# Altium PCB Pleiades_PP.PcbDoc (part 5 of 15) (continued)
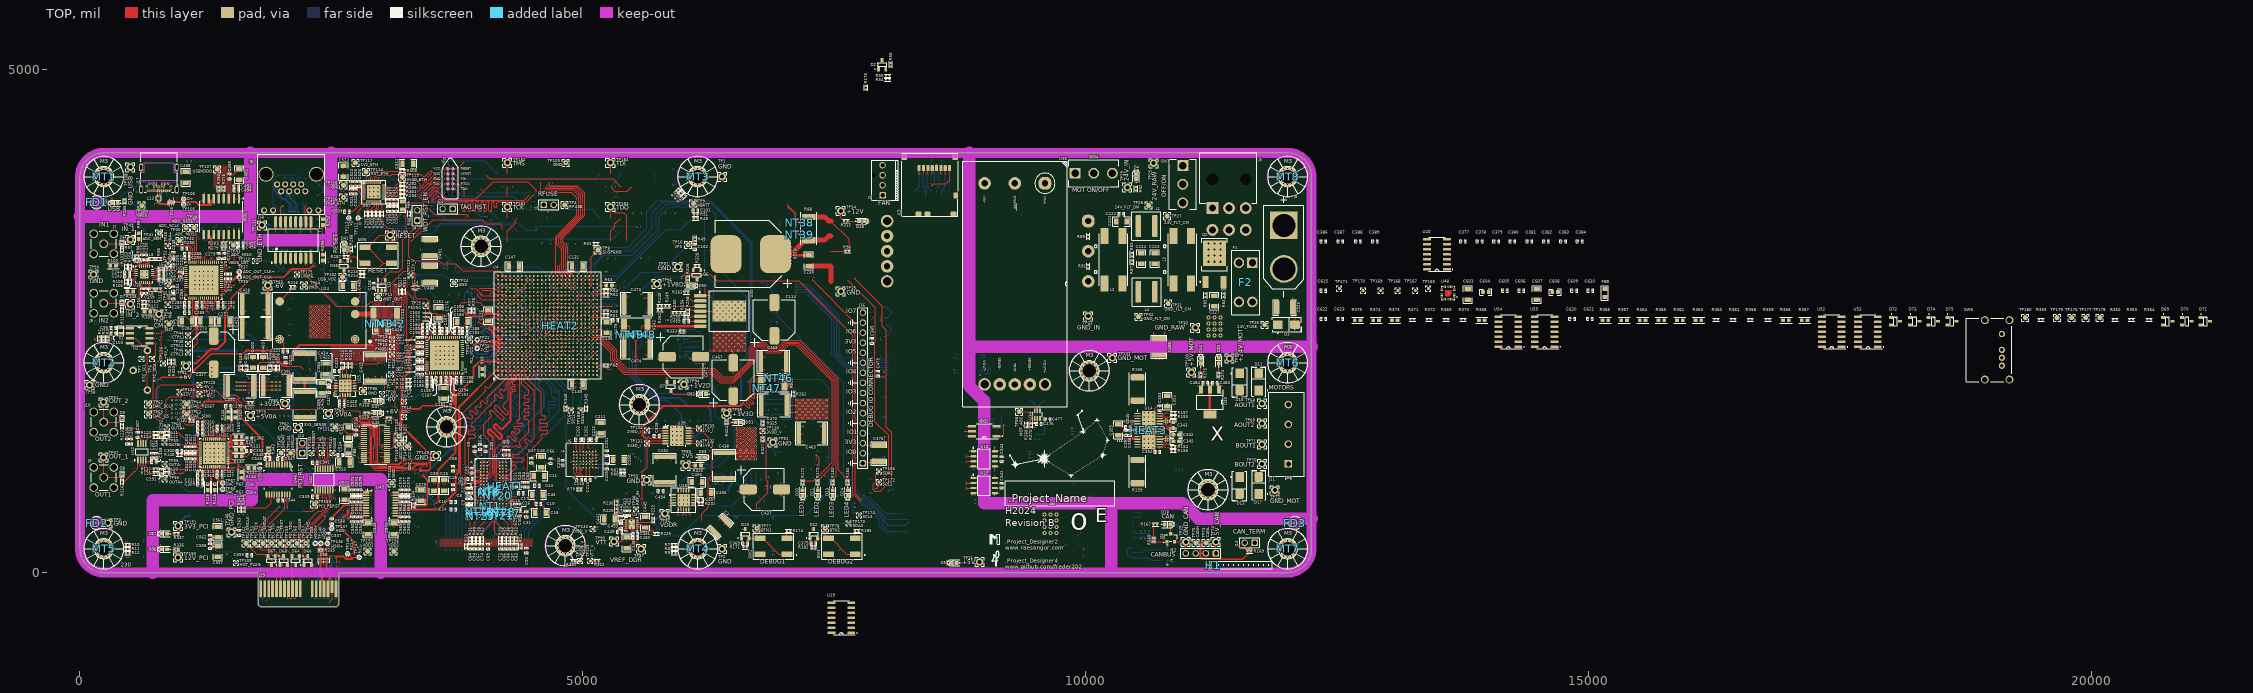
[diagram p0: TOP view]
## Nets (pads, with @x,y where several pads share a name; then routed paths per layer and width w, separated by ;. In a path a pad name is that pad's centre, name@x,y a point inside that pad or via, vN(x,y) a via of type N, cw(c..) or ccw(c..) an arc to the next point about the centre after c; other vN are vias at no path point) (continued)
  other v1: 3565,2492 2795,3715
+3V3D_CURR_25: TP131.1 U40.26 U41.7 | length 4688.5
  TOP w5: v1(5600,660) 5590,670 5590,1000 5639.11,1049.11 5639.11,1282.34 TP131.1@5640.89,1284.11
  TOP w10: v1(3006.54,1214.93) U40.26@3050.63,1214.93 ; TP131.1@5640,1285 5640.89,1284.11 5819.94,1284.11 5820.83,1283.23
  IN1 w5: v1(3250,995) 3286.68,995 3445,836.68 3464.2,817.49 3464.2,220.8 3560,125 5290,125 5418.5,253.5 5418.5,414.14 5418.5,590.57 5467.93,640 5580,640 v1(5600,660)
  IN2 w5: v1(3006.54,1214.93) 3093.46,1128 3117,1128 v1(3250,995)
+3V3D_ETH: C515.1 C516.1 C517.1 C518.1 D43.2 FB6.2 R291.1 R292.1 R308.1 TP115.1 U37.17 | length 705.8
  TOP w10: v1(2845,3525) R291.1@2845,3547.5 ; U37.17@3017.91,3715.94 v1(3033.82,3700.03) 3034.36,3700.03 3041.83,3707.5 C518.1@3065,3707.5 C517.1@3105,3707.5 C516.1@3145,3707.5 ; v1(3145,3730) C516.1@3145,3707.5 ; v1(3170,3928.36) 3170.38,3928.74 3200.85,3928.74 TP115.1@3205,3924.59 ; FB6.2@3205,3690 3200,3690 3182.5,3707.5 C516.1@3145,3707.5 ; TP115.1@3205,3940.82 TP115.1@3205,3930 TP115.1@3205,3924.59 ; R292.1@3222.5,3865 3222.5,3901.68 3205,3919.18 TP115.1@3205,3924.59 ; R308.1@3222.5,3995 v1(3245,3995)
  BOT w10: v1(3033.82,3700.03) 3074.98,3700.03 3092,3717.06 C515.1@3092,3747.02 ; C515.1@3092,3785 C515.1@3092,3747.02 ; v1(3145,3730) 3109.02,3730 C515.1@3092,3747.02 ; v1(3170,3928.36) 3170,3960 D43.2@3190,3980 3205,3995 v1(3245,3995)
+3V3D_SHUNT_19_+: NT47.2 U41.5 | length 1298.6
  IN1 w5: v1(1112.5,1600) 1121.5,1591 1343.42,1591 1457.42,1705 1675.66,1705 1925.48,1954.82 1925.48,1970.56 1972,2017.08 1972,2060.74 1981.5,2070.24 1981.5,2146.24 1991.49,2156.23 v1(1991.49,2159.58)
  BOT w5: 1943.49,2113.95 1956.94,2113.95 1995.33,2152.34 1995.33,2153.85 1991.49,2157.69 v1(1991.49,2159.58)
  BOT w10: U41.5@1090,1600 v1(1112.5,1600)
+3V3D_SHUNT_19_-: NT46.2 U41.6 | length 1389
  IN1 w5: v1(1112.5,1575) 1338.74,1575 1460.2,1696.46 1678.44,1696.46 1933.48,1951.5 1933.48,1967.24 1980,2013.76 1980,2057.42 1989.5,2066.92 1989.5,2124.5 2012.16,2147.16 2029.62,2147.16 v1(2042,2159.54)
  BOT w5: v1(2042,2159.54) 2013.19,2159.54 2005.99,2152.34 2005.99,2128.5 2020.55,2113.95 2063.49,2113.95
  BOT w10: U41.6@1090,1575 v1(1112.5,1575)
+3V3D_VOLT_25: R325.2 R327.2 TP130.1 U40.25 | length 5863.5
  TOP w5: v1(6730,640) 6730,685 6839.5,794.5 6839.5,905.5 6825,920 6825,1307.5 R327.2@6790,1342.5
  TOP w10: v1(2980,1190) 2980.54,1190 2985.78,1195.24 U40.25@3050.63,1195.24 ; R327.2@6790,1342.5 TP130.1@6790,1410 R325.2@6790,1467.5
  IN1 w5: v1(3210,985) 3271.58,923.42 3318.92,923.42 3390,852.34 3390,825 3410,805 3415,800 3422.4,792.6 3422.4,217.6 3525,115 5340,115 5450.04,225.04 5450.04,450.04 5556.64,556.64 6114.33,556.64 6197.69,640 v1(6730,640)
  IN2 w5: v1(2980,1190) 3185,985 v1(3210,985)
+5V: C233.1 C234.1 C363.1 C367.1 R93.1 TP36.1 U8.2 U18.3 U18.4 | length 192.2
  TOP w10: TP36.1@8945,105 TP36.1@8945,135
  TOP w25: TP36.1@8947.65,128.1 8958.24,117.5 TP36.1@8958.7,117.5
  BOT w10: R93.1@8842.5,90 8846.88,94.38 8934.38,94.38 TP36.1@8945,105 ; C363.1@9917.5,289.5 C363.1@9930,277 ; C367.1@9966.5,219 v1(9980.91,233.41)
+5V0A: C240.1 C241.1 C242.1 C243.1 C244.1 C245.1 C246.1 C256.1 C257.1 C258.1 C259.1 C260.1 C261.1 C262.1 C304.1 C305.1 C306.1 C307.1 C390.1 C391.1 C392.1 C393.1 TP79.1 U10.3 U10.4 U10.9 U10.10 U12.8 U22.1 U22.3 U22.20 | length 2283.1
  TOP w10: v1(470,1260) C306.1@470,1282.5 ; C243.1@487.5,2945 v1(510,2945) v1(525,2945) 525.54,2945 534.64,2954.09 558.23,2954.09 U10.4@559.29,2955.16 ; C244.1@487.5,2985 v1(510,2985) v1(525,2985) 525.54,2985 534.64,2975.91 558.23,2975.91 U10.3@559.29,2974.84 ; v1(510,1260) C305.1@510,1282.5 ; v1(552.5,1351.99) C307.1@575,1351.99 575.81,1351.18 575.81,1282.5 U12.8@576.61,1281.69 ; C260.1@620,2817.5 v1(620,2840) v1(620,2855) 620.38,2855.38 620.38,2864.83 630.16,2874.61 U10.9@630.16,2884.29 ; U10.10@649.84,2884.29 649.84,2874.61 659.62,2864.83 659.62,2855.38 v1(660,2855) v1(660,2840) C259.1@660,2817.5 ; C390.1@1468,1855 1468,1780.77 1485.02,1763.75 1553.75,1763.75 v1(1595,1722.5) ; C391.1@2065,1955 v1(2065,1977.5) ; C391.1@2085,1760 v1(2100.91,1744.09)
  BOT w10: v1(417.5,3045) C240.1@440,3045 ; v1(422.5,2880) C256.1@445,2880 ; v1(470,1260) 470.38,1260.38 555.04,1260.38 572,1277.34 C304.1@572,1285 572,1332.49 v1(552.5,1351.99) ; C256.1@470,2878 470.54,2878 487.5,2894.96 C241.1@487.5,2945 ; C240.1@470,3047 470.54,3047 487.5,3030.04 C242.1@487.5,2985 ; U22.3@1595,1745 v1(1595,1722.5) 1595.25,1722.25 1595.25,1597.66 C392.1@1595.49,1597.41 ; U22.1@1646.18,1745 v1(1646.18,1722.5) ; U22.20@1689.49,1803.82 1681.89,1803.82 1680,1801.93 v1(1680,1782) 1680,1756.32 ; v1(1745.18,1685.13) C393.1@1722.68,1685.13 ; C241.1@487.5,2945 C242.1@487.5,2985 ; C241.1@487.5,2945 v1(510,2945) v1(525,2945) C245.1@547.5,2945 C246.1@547.5,2985 v1(525,2985) v1(510,2985) C242.1@487.5,2985 ; C392.1@1595.49,1597.41 1595.49,1679.03 1624.44,1707.98 1631.12,1707.98 1645.64,1722.5 v1(1646.18,1722.5) ; C392.1@1595.49,1597.41 1595.49,1577.02 1612.52,1560 TP79.1@1695,1560 1695,1577.59 1722.68,1605.27 C393.1@1722.68,1685.13 ; v1(1646.18,1722.5) 1680,1756.32 ; 1680,1756.32 1680,1727.81 C393.1@1722.68,1685.13 ; C258.1@620,2817.5 C257.1@660,2817.5 v1(660,2840) v1(660,2855) C261.1@660,2877.5 C262.1@620,2877.5 v1(620,2855) v1(620,2840) C258.1@620,2817.5
+5V0A_EN: R189.2 U4.A21 | length 3405.3
  TOP w5: v1(3895,2820) 3940.51,2820 3981.01,2779.5 3981.01,2767.34 3996.38,2751.97 U4.A21@4157.48,2751.97
  TOP w6: v1(1600,2087.5) 1600,2105 1670,2175 1891.67,2175 2017.51,2049.16 2190.84,2049.16 v1(2215,2025)
  TOP w10: R189.2@1600,2052.6 v1(1600,2087.5)
  IN1 w5: v1(2215,2025) 2485.59,2025 2523.09,2062.5 2892.5,2062.5 v1(2930,2100)
  IN2 w5: v1(2955,2665) 3083.5,2793.5 3553.5,2793.5 3595,2835 3880,2835 v1(3895,2820)
  BOT w5: v1(2930,2100) 2916.74,2113.26 2916.74,2626.74 v1(2955,2665)
+5V_CAN: C358.1 C359.1 C360.1 FB3.2 J12.1 R167.1 R168.1 TP74.1 U18.16 | length 597
  TOP w10: R168.1@10675,342.19 v1(10697.5,342.19)
  TOP w12: R168.1@10675,342.19 R167.1@10675,477.69 ; J12.1@11295,190 TP74.1@11295,305
  BOT w10: v1(10550,335) C360.1@10550,357.5 ; v1(10590,335) C359.1@10590,357.5 ; v1(10630,335) C358.1@10630,357.5
  BOT w12: U18.16@10468.06,350 10542.5,350 C360.1@10550,357.5 C358.1@10630,357.5 ; v5(10808.54,270) FB3.2@10808.54,225 v5(10855,225)
+5V_MOT: C339.1 C341.1 C344.1 C346.1 C355.1 C356.1 C357.1 C477.1 C478.1 C484.1 C485.1 R152.1 R153.1 R154.1 R160.2 R161.2 R162.1 R266.1 R267.1 R275.1 TP100.1 U13.8 U14.10 U15.8 U16.8 U17.8 U32.10 U32.16 U33.6 U35.3 | length 1287.1
  TOP w10: U15.8@9096.3,940 v1(9138.8,940) ; U16.8@9096.3,1205 v1(9096.3,1247.5) ; C341.1@9165,882.81 v1(9187.5,882.81) ; C344.1@9165,1147.81 v1(9187.5,1147.81) ; v1(9640,1502.5) C477.1@9640,1525 ; C355.1@10325,1367 10330.5,1372.5 v1(10377.5,1372.5) C357.1@10400,1372.5 C356.1@10440,1372.5 10461.48,1351.02 U14.10@10514.76,1351.02 ; R154.1@10887.5,1250 v1(10910,1250) ; R153.1@10890,1550 v1(10912.5,1550) ; TP100.1@11050,1990 11092.5,1947.5 R275.1@11145,1947.5 v1(11145,1925) ; v1(11112.5,1785) U35.3@11135,1785 ; v1(11112.5,1855) U35.3@11135,1855 ; C484.1@11172.5,1885 v1(11172.5,1907.5)
  BOT w10: U32.16@8946.3,1987.5 U32.16@8948.8,1985 ; U32.10@8946.3,2137.5 v1(8988.8,2137.5) ; v1(8948.8,1962.5) U32.16@8948.8,1985 ; v1(9014.68,1960) C478.1@9014.68,1982.5 ; R266.1@9055,1982.5 C478.1@9014.68,1982.5 ; R162.1@9085.63,1435 R160.2@9125,1435 R161.2@9164.37,1435 ; v1(9096.3,767.81) U13.8@9096.3,790.31 9111.31,790.31 9117.61,796.61 9117.61,800.42 C339.1@9165,847.81 v1(9165,825.31) ; U17.8@9096.3,1055 v1(9138.8,1055) ; v1(9165,1090.31) C346.1@9165,1112.81 ; v1(9540,1315) R267.1@9540,1337.5 ; v1(9640,1502.5) 9662.5,1525 U33.6@9717.5,1525 ; v1(10377.5,1372.5) 10407.5,1342.5 R152.1@10460,1342.5 ; U32.16@8948.8,1985 9012.18,1985 C478.1@9014.68,1982.5
  other v1: 11118.75,1947.5
+5V_USB_IN: C492.1 C493.1 C494.1 C498.1 D35.1 D37.1 D38.3 D39.3 ISO2.1 J17.A4 J17.A9 J17.B4 J17.B9 R284.1 R286.1 TP104.1 | length 662
  TOP w10: R286.1@445,3707.5 v1(445,3730) ; J17.A9@735.52,3796 735.52,3802.89 737.49,3804.86 J17.B4@737.49,3839.7 ; J17.B9@831.98,3839.7 831.98,3804.86 833.94,3802.89 J17.A4@833.94,3796 ; v1(890.32,3635.93) D35.1@890.32,3658.43 ; v1(1025,3830) 1025.38,3830.38 1025.38,3870.27 C498.1@1038.11,3883 ; C498.1@1050,3877 1062.73,3889.73 1102.62,3889.73 v1(1103,3890.11) ; v1(1532.15,3905) C492.1@1555,3905 ; C492.1@1585,3905 1585,3852.5 C493.1@1572.5,3840 ; v1(1595,3800) C494.1@1572.5,3800 ; v1(1595,3840) C493.1@1572.5,3840 ; v1(1602.5,3716.5) ISO2.1@1580,3716.5 1580,3792.5 C494.1@1572.5,3800 ; C494.1@1572.5,3800 C493.1@1572.5,3840
  BOT w10: D39.3@486,3700 v1(486,3722.5) ; D38.3@958.68,3700 965.83,3707.15 v1(965.83,3730) ; v1(1025,3830) D37.1@1047.85,3830 ; D37.1@1103,3867.26 v1(1103,3890.11) ; R284.1@1200,3670 v1(1200,3692.85)
  other v1: 615,3665
+6V: C399.1 C402.1 C407.1 C408.1 C409.1 C410.1 C411.1 NT41.1 R186.1 R188.1 R319.1 R320.1 TP81.1 U22.15 U22.16 U23.15 U23.16 | length 2821.4
  TOP w10: R320.1@930,2112.5 v1(930,2135) ; v1(2810,1585) R319.1@2832.5,1585
  POW2 w10: v1(1865,1982.5) 1865,2014.14 1871.86,2021 2080.37,2021 2080.78,2021.41 2197.18,2021.41 v1@2250.08,1968.51 ; v1(2250.08,1968.32) v1@2250.08,1968.51 ; v1(2810,1585) 2746.44,1648.56 2746.44,1771.4 2677.84,1840 2520,1840 2510,1850 2455.2,1850 2445.2,1860 2358.6,1860 v1@2250.08,1968.51
  BOT w5: R186.1@1887.49,2207.41 1938.28,2207.41 1943.49,2202.2 NT41.1@1943.49,2122.95
  BOT w10: C407.1@1160,2151.04 v1(1182.5,2151.04) ; C407.1@1160,2237.3 v1(1182.5,2237.3) ; C408.1@1602,2160 v1(1624.5,2160) ; C408.1@1602,2209.81 v1(1624.5,2209.81) ; C408.1@1602,2255 v1(1624.5,2255) ; U22.15@1646.18,1949.49 v1(1668.68,1949.49) ; U22.16@1680,1910 v1(1680,1932.5) 1680,1933.04 1669.06,1943.98 1669.06,1949.11 v1(1668.68,1949.49) ; C399.1@1697.5,2010 v1(1697.5,1987.5) 1669.06,1959.06 1669.06,1949.87 v1(1668.68,1949.49) ; v1(1842.5,2190) R186.1@1865,2190 ; v1(1842.5,2235) R186.1@1865,2235 ; U23.15@1853.49,1907.41 v1(1869.4,1923.32) 1869.4,1923.86 1865,1928.26 1865,1955.38 ; C402.1@1860.49,2032.41 1860.99,2032.91 C411.1@1860.99,2102.41 ; C402.1@1865,2005 v1(1865,1982.5) 1865,1955.38 ; C409.1@1881.96,2736.69 v1(1904.46,2736.69) ; v1(1882.5,2130) R186.1@1882.5,2152.5 ; C410.1@1882.5,2467.41 v1(1905,2467.41) ; C409.1@1882.5,2617.41 v1(1905,2617.41) ; C410.1@1884.02,2360 v1(1906.52,2360) ; U23.16@1896.8,1950.72 v1(1874.3,1950.72) 1873.76,1950.72 1869.09,1955.38 1865,1955.38 ; v1(1906.41,2130) R186.1@1906.41,2152.5 ; v1(2250.08,1968.32) R188.1@2265.99,1952.41
  BOT w12: TP81.1@1054.51,2052.5 1099.88,2097.87 1099.88,2188.8 C407.1@1118.49,2207.41 ; C411.1@1860.99,2102.41 1881.96,2123.38 1881.96,2201.88 R186.1@1887.49,2207.41
  BOT w25: C407.1@1118.49,2207.41 C408.1@1563.49,2207.41
+6V0_CURR_25: TP127.1 U39.7 U40.16 | length 2468.1
  TOP w10: v1(1112.5,1550) 1095.5,1567 1095.5,1712.04 1158.46,1775 TP127.1@1190,1775 ; v1(2778.19,1155.87) U40.16@2822.28,1155.87
  BOT w10: 1090,1550 v1(1112.5,1550) 1113.04,1550 1120.04,1543 1218,1543 1239,1564 1239,1699 1270,1730 1355,1730 1510.63,1574.37 1510.63,1504.37 1545,1470 1780,1470 2015,1235 2290,1235 2299.5,1244.5 2508.28,1244.5 2577.28,1175.5 2673.36,1175.5 2692.99,1155.87 v1(2778.19,1155.87)
+6V0_VOLT_25: R320.2 R323.1 TP126.1 U40.15 | length 3254.2
  TOP w5: R320.2@928.75,2078.75 R320.2@930,2077.5 v1(930,2055)
  TOP w10: TP126.1@830,2080 831.25,2078.75 R320.2@928.75,2078.75 ; v1(2778.19,1175.56) U40.15@2822.28,1175.56
  IN2 w5: v1(930,2055) 880,2005 880,1090 945,1025 1163,1025 1196.5,991.5 1638.94,991.5 1653.94,1006.5 2731.5,1006.5 2795,1070 2795,1158.75 v1(2778.19,1175.56)
+6V_EN: R187.2 R197.1 U4.C21 | length 2622.6
  TOP w5: v1(3985,2805) 4080,2805 4118.67,2766.33 4221.86,2766.33 U4.C21@4236.22,2751.97
  IN1 w5: v1(2403.49,1922.41) 2535.08,2054 2984,2054 v1(3005,2075)
  IN2 w5: v1(3035,2665) 3140,2770 3245,2770 3255,2760 3881.2,2760 3926.2,2805 v1(3985,2805)
  BOT w5: v1(3005,2075) 3005,2092.43 3013.63,2101.06 3013.63,2273.63 3035,2295 v1(3035,2665)
  BOT w10: v1(2403.49,1922.41) R197.1@2425.99,1922.41 2424.74,1923.66 2424.74,1963.66 R187.2@2423.49,1964.91
+6V_SHUNT_19_+: NT41.2 U39.5 | length 2018.8
  TOP w5: U39.5@5820.83,1334.41 5668.09,1334.41 cw(c5668.09,1341.78) 5660.72,1341.78 ccw(c5653.34,1341.78) 5645.97,1341.78 cw(c5638.59,1341.78) 5638.59,1334.41 5628.59,1334.41 5598,1365 5598,1375 cw(c5600,1375) 5600,1377 ccw(c5600,1379) 5600,1381 cw(c5600,1383) 5598,1383 5598,1448.76 5803.17,1653.93 5813.17,1653.93 cw(c5813.17,1653.43) 5813.67,1653.43 ccw(c5814.17,1653.43) 5814.67,1653.43 cw(c5815.17,1653.43) 5815.17,1653.93 6571.93,1653.93 6591.37,1673.37 cw(c6600.21,1664.54) 6609.05,1673.37 6640.22,1642.2 ccw(c6649.06,1651.04) 6657.9,1642.2 ccw(c6649.06,1651.04) 6657.9,1659.88 6625.89,1691.9 cw(c6634.73,1700.73) 6625.89,1709.57 cw(c6634.73,1700.73) 6643.56,1709.57 6675.58,1677.56 ccw(c6684.42,1686.4) 6693.26,1677.56 ccw(c6684.42,1686.4) 6693.26,1695.24 6661.24,1727.25 cw(c6670.08,1736.09) 6661.24,1744.93 cw(c6670.08,1736.09) 6678.92,1744.93 6687.94,1735.91 ccw(c6696.78,1744.75) 6705.62,1735.91 ccw(c6696.78,1744.75) 6705.62,1753.59 6702.54,1756.66 cw(c6711.38,1765.5) 6711.38,1778 6720.4,1778 6730.4,1778 ccw(c6730.4,1778.12) 6730.52,1778.12 cw(c6730.65,1778.12) 6730.77,1778.12 ccw(c6730.9,1778.12) 6730.9,1778 6798,1778 6830,1810 6830,1826
+6V_SHUNT_19_-: NT40.2 U39.6 | length 2019.2
  TOP w5: U39.6@5820.83,1308.82 5770,1308.82 5642.87,1308.82 5590,1361.69 5590,1452.07 5799.86,1661.93 6566.93,1661.93 6665,1760 6665,1915 6715,1965 6825,1965 6856,1934 6950,1934
+12V: C105.1 C228.1 C229.1 C230.1 C231.1 C232.1 C405.1 C406.1 C414.1 C415.1 C416.1 C434.1 C435.1 C465.1 C466.1 J2.2 NT39.1 NT42.1 R88.2 R213.1 R244.1 R315.1 R316.1 R326.1 R331.1 TP34.1 U7.7 U8.1 U21.1 U26.1 U29.1 | length 5508.1
  TOP w5: NT42.1@3095,2480.54 3095,2559.79 3100.21,2565 R213.1@3151,2565 ; NT39.1@7160.54,3360 7239.79,3360 7245,3354.79 R88.2@7245,3304
  TOP w10: v1(2854.5,2122.5) C415.1@2854.5,2145 ; v1(2936.46,2122.5) C415.1@2936.46,2145 ; v1(3225,2752.5) R316.1@3225,2775 ; R326.1@6045,2942.5 v1(6045,2965) ; C228.1@7060,3072.5 v1(7082.5,3072.5) ; C228.1@7060,3105 v1(7082.5,3105) ; C228.1@7060,3140 v1(7082.5,3140) ; C228.1@7060,3175 v1(7082.5,3175) ; C228.1@7060,3210 v1(7082.5,3210) ; C228.1@7060,3240 v1(7082.5,3240) ; C465.1@7165,1305 v1(7187.5,1305) ; C465.1@7165,1375 v1(7187.5,1375) ; C465.1@7165,1455 v1(7187.5,1455) ; TP34.1@7565,3595 7565,3527.5 R315.1@7597.5,3495
  TOP w25: C228.1@6915,3165 6927,3153 C230.1@7245,3153
  TOP w50: C228.1@6915,3165 6934,3184 7088,3184 7141.05,3237.05 7202,3298 7239,3298 R88.2@7245,3304 7403.71,3304 7444.71,3345 7465,3345
  POW2 w10: v1(5715.45,1816.43) 6483.57,1816.43 v1(6865,1435) ; v1(6774,920.14) 6813.83,920.14 v1(6842.5,948.81)
  POW2 w25: v1(6045,2965) 7028.03,2965 7129.53,3066.5 7186.5,3066.5 7465,3345
  BOT w10: U21.1@2533.49,2160 v1(2533.49,2137.5) ; v1(2650,2180.81) C405.1@2650,2203.31 ; v1(2723.76,2180.81) C405.1@2723.76,2203.31 ; v1(2787.5,2180.5) C405.1@2787.5,2203 ; C414.1@3051.79,2122.5 C414.1@3090,2160.71 3060.38,2190.33 3060.38,2284.62 v1(3060,2285) ; v1(5715.45,1816.43) R331.1@5737.95,1816.43 ; v1(6774,920.14) U26.1@6774,942.64 ; C435.1@6800,860.81 v1(6822.5,860.81) ; C435.1@6802.5,830.14 v1(6825,830.14) ; v1(6842.5,948.81) 6865,948.81 ; v1(6865,1435) R244.1@6865,1457.5 ; C229.1@6900.24,3440 v1(6900.24,3462.5) ; C434.1@6940,970 v1(6940,992.5) ; v1(6955.21,1435) U29.1@6955.21,1457.5 ; C229.1@6960,3440 v1(6960,3462.5) ; v1(6990,1312) C466.1@6990,1334.5 ; v1(7006,1435) U29.1@7006,1457.5 ; v1(9737.5,87.5) C232.1@9737.5,110 ; U8.1@9740,194 9740,223 9780.66,263.66 9780.66,276.62 v1(9781.04,277) C231.1@9830,277 ; v1(2533.49,2137.5) 2533.49,2136.96 2533,2136.47 2533,2072.9 C406.1@2533.49,2072.41 2543.22,2072.41 2572.5,2101.69 v1(2572.5,2118.45) 2553.83,2137.12 2533.87,2137.12 v1(2533.49,2137.5)
  other v5: 3140,2855 3175,2855 3210,2855
+12V_CURR_25: TP124.1 U39.1 U40.28 | length 2646.8
  TOP w6: v1(990,1795) 1010,1815 1346,1815 1430.5,1730.5 1554.5,1730.5 1659.5,1625.5 2535.2,1625.5 2550.7,1610 2770,1610 2785,1595 2785,1570 2810,1545 2910,1545 2980,1475 2980,1260 2987.5,1252.5 3048.83,1252.5 U40.28@3050.63,1254.3
  TOP w10: U40.28@3050.63,1254.3 v1(3094.72,1254.3)
  BOT w10: v1(990,1795) 1047.18,1737.82 1047.18,1706.77 1050.18,1703.77 1070.98,1703.77 ; 1090,1705 v1(1112.5,1705)
+12V_PCI: C556.1 C557.1 C558.1 C559.1 D55.1 J19.A2 J19.A3 J19.B1 J19.B2 J19.B3 R336.1 TP150.1 | length 743.9
  TOP w10: R336.1@975,231 v1(997.5,231) ; v1(1272.5,247.5) C558.1@1295,247.5 ; v1(1322.34,157) C557.1@1344.84,157 ; v1(1702.5,152.5) C559.1@1702.5,175 ; v1(1797.24,-257.5) J19.B1@1797.24,-235 ; v1(1836.61,-257.5) J19.B2@1836.61,-235 ; v1(1875.98,-257.5) J19.B3@1875.98,-235
  TOP w12: TP150.1@975,150 R336.1@975,231
  POW2 w10: v1(1797.24,-257.5) 1797.24,-228.39 1811.49,-214.14 1819.77,-214.14 1836.61,-230.98 v1(1836.61,-257.5) 1836.61,-228.39 1850.86,-214.14 1859.14,-214.14 1875.98,-230.98 v1(1875.98,-257.5)
  BOT w10: v1(1644.34,222) D55.1@1666.84,222 ; v1(1735,149.7) D55.1@1735,172.2 ; J19.A2@1836.61,-92.52 v1(1836.61,-70.02) ; J19.A3@1875.98,-93.69 v1(1875.98,-71.19)
  BOT w12: TP150.1@975,150 1116.9,150 1133,166.1 C556.1@1133,201.12
+12V_SHUNT_19_+: NT39.2 U39.3 | length 878.2
  TOP w10: v1(5770,1385.59) U39.3@5792.5,1385.59
  IN1 w5: v1(5770,1385.59) 5877.19,1278.4 5877.19,1267.79 6035.99,1109 6055.51,1109 6145.81,1018.69 6147.58,1016.93 6218.29,946.22 cw(c6211.22,939.14) 6218.29,932.07 6194.64,908.42 ccw(c6201.71,901.35) 6194.64,894.28 ccw(c6201.71,901.35) 6208.78,894.28 6232.43,917.93 cw(c6239.5,910.86) 6246.57,917.93 6280.25,884.26 6282.02,882.49 6287.88,882.49 v1(6290.36,880)
  BOT w5: v1(6290.36,880) 6300,870.36 6300,854
+12V_SHUNT_19_-: NT38.2 U39.2 | length 887.2
  TOP w10: v1(5770,1411.18) U39.2@5792.5,1411.18
  IN1 w5: v1(5770,1411.18) 5771.99,1411.18 5904.19,1278.98 5904.19,1262.71 6041.9,1125 6055.21,1125 6279.81,900.4 6296.47,900.4 v1(6315.48,881.39)
  BOT w5: v1(6315.48,881.39) 6316.82,880.05 6376.45,880.05 6395,861.5 6395,859
+12V_VOLT_25: R316.2 R317.1 TP123.1 U40.27 | length 2007.6
  TOP w10: U40.27@3050.63,1234.61 3094.72,1234.61 3097.41,1237.3 3101.76,1237.3 3120,1255.53 3120,1377.28 3184.5,1441.78 3184.5,1595.5 3135,1645 3135,1995 3265.51,2125.51 3265.51,2300.51 3320,2355 3320,2715 R316.2@3225,2810 ; R317.1@3185,2810 R316.2@3225,2810 ; TP123.1@3290,2955 3255,2920 3255,2840 R316.2@3225,2810
+24V_FILTER_CM: C223.1 L1.1 L3.1 TP27.1
+24V_FILTER_DM: C218.1 C224.1 L1.2 L2.2 R83.1 TP28.1
+24V_FUSE: C225.1 D3.1 F1.3 F1.4 Q1.3 TP26.1
  other v4: 11220,2355 11280,2355 11340,2355 11220,2415 11280,2415 11340,2415 11220,2475 11280,2475 11340,2475 11220,2535 11280,2535 11340,2535
+24V_IN: C219.1 C220.1 C221.1 C222.1 L2.1 R89.1 R92.1 R272.1 TP29.1 U7.1 U36.1
+24V_MOT: C342.2 C350.1 C351.1 C352.1 C353.1 C354.1 C476.1 C480.1 C481.1 C482.1 C483.1 NT53.1 R268.1 R271.1 R274.1 TP99.1 U14.15 U14.28 U34.3 U35.1 U36.7 | length 566.5
  TOP w10: v1(9410,1425) R268.1@9410,1447.5 ; C354.1@10732.5,1200 v1(10732.5,1222.5) ; C353.1@10735,1617.5 v1(10750.91,1601.59) 10750.91,1582.18 10750.07,1581.34 U14.28@10735.24,1581.34 ; C352.1@10809.9,1652.1 v1@10809.9,1683.58 ; C342.2@10928.6,1370.1 v1@10960.08,1370.1 ; C483.1@11302.5,1885 v1(11302.5,1907.5) ; v1(11322.7,1925.28) R274.1@11322.7,1947.78 ; U35.1@11335,1785 v1(11357.5,1785) ; U35.1@11335,1855 v1(11357.5,1855)
  TOP w12: v1(10732.5,1222.5) 10735.24,1225.24 U14.15@10735.24,1248.66
  BOT w10: v1@9438.52,1140 C481.1@9470,1140 ; v1@9438.52,1170 C481.1@9470,1170 ; v1@9438.52,1200 C481.1@9470,1200 ; v1@9863.52,1375 C480.1@9895,1375 ; v1@9863.52,1405 C480.1@9895,1405 ; v1@9863.52,1435 C480.1@9895,1435 ; C351.1@10900,1000 v1@10900,1031.48 ; C351.1@10930,1000 v1@10930,1031.48 ; C351.1@10960,1000 v1@10960,1031.48
  other v1: 10900.1,1031.58 10930.1,1031.58 10960.1,1031.58 9438.42,1140.1 9438.42,1170.1 9438.42,1200.1 10960.18,1370.2 9863.42,1375.1 9863.42,1405.1 9863.42,1435.1 10809.8,1683.68
+24V_MOT_SHUNT_24_+: NT53.2 U34.5 | length 132.5
  TOP w10: U34.5@9520,1620 v1(9520,1642.5)
  BOT w5: NT53.2@9445,1720 9447.5,1720 9518.66,1648.84 9518.66,1643.84 v1(9520,1642.5)
+24V_MOT_SHUNT_24_-: NT52.2 U34.4 | length 122.4
  TOP w10: U34.4@9545,1620 v1(9545,1642.5)
  BOT w5: v1(9545,1642.5) 9545,1672 9593,1720 NT52.2@9595.5,1720
+24V_PROT_20: L3.2 Q2.3
  other v4: 11220,3090 11280,3090 11340,3090 11220,3150 11280,3150 11340,3150 11220,3210 11280,3210 11340,3210 11220,3270 11280,3270 11340,3270
+24V_RAW: F1.1 F1.2 J5.1 J5.2 J5.3 J6.1 TP25.1
+DDR_VREF: U1.H1 U1.M8 | length 359.8
  TOP w8.89: v1(3961.98,874.02) U1.H1@3984.25,874.02 ; U1.M8@4204.72,748.03 v1(4220.47,763.78)
  POW2 w8.89: v1(3961.98,874.02) 3996.73,874.02 4120.41,750.33 4207.03,750.33 v1(4220.47,763.78)
+VBATT: BT1.+ U2.3 | length 620.6
  TOP w10: U2.3@495,2330 547.72,2330 BT1.+@670.87,2206.85 BT1.+@670.87,1813.15
+VCC_OSC: C154.1 C155.1 C156.1 C157.1 FB1.2 R71.1 TP14.1 Y1.6 | length 524.7
  TOP w10: R71.1@3087.5,1535 v1(3110,1535) 3167.5,1477.5 v1(3167.5,1448.82) ; v1(3220,1267.5) 3220.54,1267.5 3225.39,1262.65 3247.35,1262.65 TP14.1@3255,1255 3290.69,1255 v1(3300,1245.69)
  BOT w10: v1(3167.5,1448.82) Y1.6@3190,1448.82 ; FB1.2@3220,1245 v1(3220,1267.5) 3220,1268.04 3232.5,1280.54 C155.1@3232.5,1295 C156.1@3232.5,1335 C157.1@3232.5,1375 ; Y1.6@3225.35,1450 3225.35,1382.15 C157.1@3232.5,1375 ; Y1.6@3253.98,1446.09 v1(3276.48,1446.09) ; v1(3255,1375) C157.1@3232.5,1375 ; v1(3300,1245.69) C154.1@3300,1268.19
+VCC_PLL: C182.1 C183.1 C184.1 C185.1 C186.1 C187.1 C188.1 C189.1 C190.1 C191.1 C192.1 C193.1 C194.1 C195.1 C196.1 C197.1 C198.1 C199.1 FB2.2 R70.1 R73.1 R76.1 TP23.1 U5.1 U5.5 U5.15 U5.34 U5.35 U5.39 U5.42 U5.44 U5.47 | length 1303.4
  TOP w10: v1(3225,1835) R73.1@3247.5,1835 ; v1(3447.5,2487.5) C184.1@3447.5,2465 C189.1@3447.5,2425 C198.1@3447.5,2385 3485,2385 3497.05,2372.95 U5.15@3497.05,2336.18 ; v1(3492.5,1832.5) C185.1@3492.5,1855 C192.1@3492.5,1895 C197.1@3492.5,1935 3492.5,1959.59 ; U5.34@3497.05,1983.82 3497.05,1973.54 3492.5,1969 3492.5,1959.59 ; U5.35@3516.73,1983.82 3516.73,1973.54 3516.26,1973.07 3505.98,1973.07 3492.5,1959.59 ; U5.39@3595.47,1983.82 3595.47,1947.97 C195.1@3582.5,1935 C187.1@3582.5,1895 v1(3582.5,1872.5) 3582.88,1872.12 3582.88,1867.12 3588.31,1861.69 3588.31,1851.96 3605.27,1835 C182.1@3615,1835 3624.73,1835 3647.5,1857.77 C191.1@3647.5,1895 C194.1@3647.5,1935 3647.5,1966.52 3654.53,1973.54 U5.42@3654.53,1983.82 ; v1(3693.9,1961.32) U5.44@3693.9,1983.82 ; U5.5@3693.9,2336.18 3693.9,2377.43 3701.46,2385 C199.1@3730,2385 C190.1@3730,2425 3749.5,2444.5 C183.1@3749.5,2495 ; v1(3717.95,2471.38) C183.1@3740.45,2471.38 ; v1(3730.23,1895.23) C186.1@3752.73,1895.23 ; C186.1@3752.5,1895 C186.1@3752.73,1895.23 ; U5.47@3752.95,1983.82 v1(3752.95,1961.32) 3752.73,1961.09 C186.1@3752.73,1895.23 ; U5.1@3772.64,2336.18 3773.11,2336.65 3773.11,2348.11 C193.1@3810,2385 C188.1@3810,2425 v1(3810,2447.5) ; R76.1@3916,2622.5 v1(3916,2645)
  BOT w10: v1(3379.09,1890.91) FB2.2@3395,1875 ; R70.1@3642.5,2385 v1(3665,2385)
  other v1: 3870,2320 3693.9,2358.68
+VCC_USB: C489.1 C490.1 C491.1 C495.1 C496.1 C497.1 C500.1 C502.1 D36.3 FB5.2 ISO2.14 ISO2.16 ISO3.5 M1.2 M1.8 M1.15 R279.2 R281.2 R282.1 R283.1 TP102.1 | length 1323.6
  TOP w10: R279.2@1447.5,3225 R281.2@1447.5,3275 1478.1,3305.6 1478.1,3358.1 ISO2.14@1480,3360 ; ISO2.16@1580,3360 1581.25,3358.75 v1(1581.25,3297.5) 1581.25,3236.25 C496.1@1582.5,3235 ; ISO2.16@1580,3395 v1(1580,3417.5) ; C489.1@2597.14,2872.5 v1(2597.14,2895) 2597.53,2895.38 2597.53,2915.31 2610.92,2928.71 TP102.1@2610.92,2939.54 2610.92,2950.36 2625,2964.44 D36.3@2625,3004 ; C489.1@2612,2850 2620,2858 v1(2620,2902.5) TP102.1@2620,2925 ; C491.1@3547.24,3144.09 v1(3569.74,3144.09)
  BOT w10: v1(1101.59,3450.91) R283.1@1117.5,3435 ; v1(1331.75,3430) ISO3.5@1354.25,3430 ; ISO3.5@1355,3445 v1(1355,3467.5) ; v1(1581.25,3297.5) 1581.63,3297.12 1581.63,3291.37 1618,3255 C495.1@1618,3245 ; v1(2487.5,2875) C502.1@2510,2875 ; v1(2487.5,3004) C502.1@2510,3004 ; R282.1@2530,3087.5 v1(2530,3110) ; v1(2672.5,2832.5) M1.8@2672.5,2855 ; v1(3202.5,2287.5) C500.1@3202.5,2310 ; M1.15@3547.24,3051.22 3548.52,3052.5 M1.15@3580.98,3052.5 ; v1(3569.74,3144.09) 3569.74,3063.74 M1.15@3580.98,3052.5 ; M1.15@3595.47,3025.08 v1(3617.97,3025.08) 3650.57,3025.08 3653.99,3028.5 v1(3654.53,3028.5) ; FB5.2@3654.53,3006 v1(3654.53,3028.5) ; M1.15@3580.98,3052.5 3646.23,3052.5 v1(3662.5,3052.5) 3662.12,3052.12 3662.12,3036.63 3654.53,3029.04 v1(3654.53,3028.5)
  BOT w20: C502.1@2526,2940 2526,2911.24 2543.5,2893.74 M1.8@2702.76,2893.74
  other v1: 3282.48,2417.36 1469.71,3297.12